# Altium PCB PCB1.PcbDoc (part 3 of 4)
Units mil, origin at the board's own origin, x right, y up, seen from the top; angles counter-clockwise.
Board outline 6000 x 4000 mil, 2 copper layers (Top Layer, Bottom Layer); 926 components, 952 nets, 4644 pads, 239 vias.
Unrouted connection lines stored in the file: 3361.
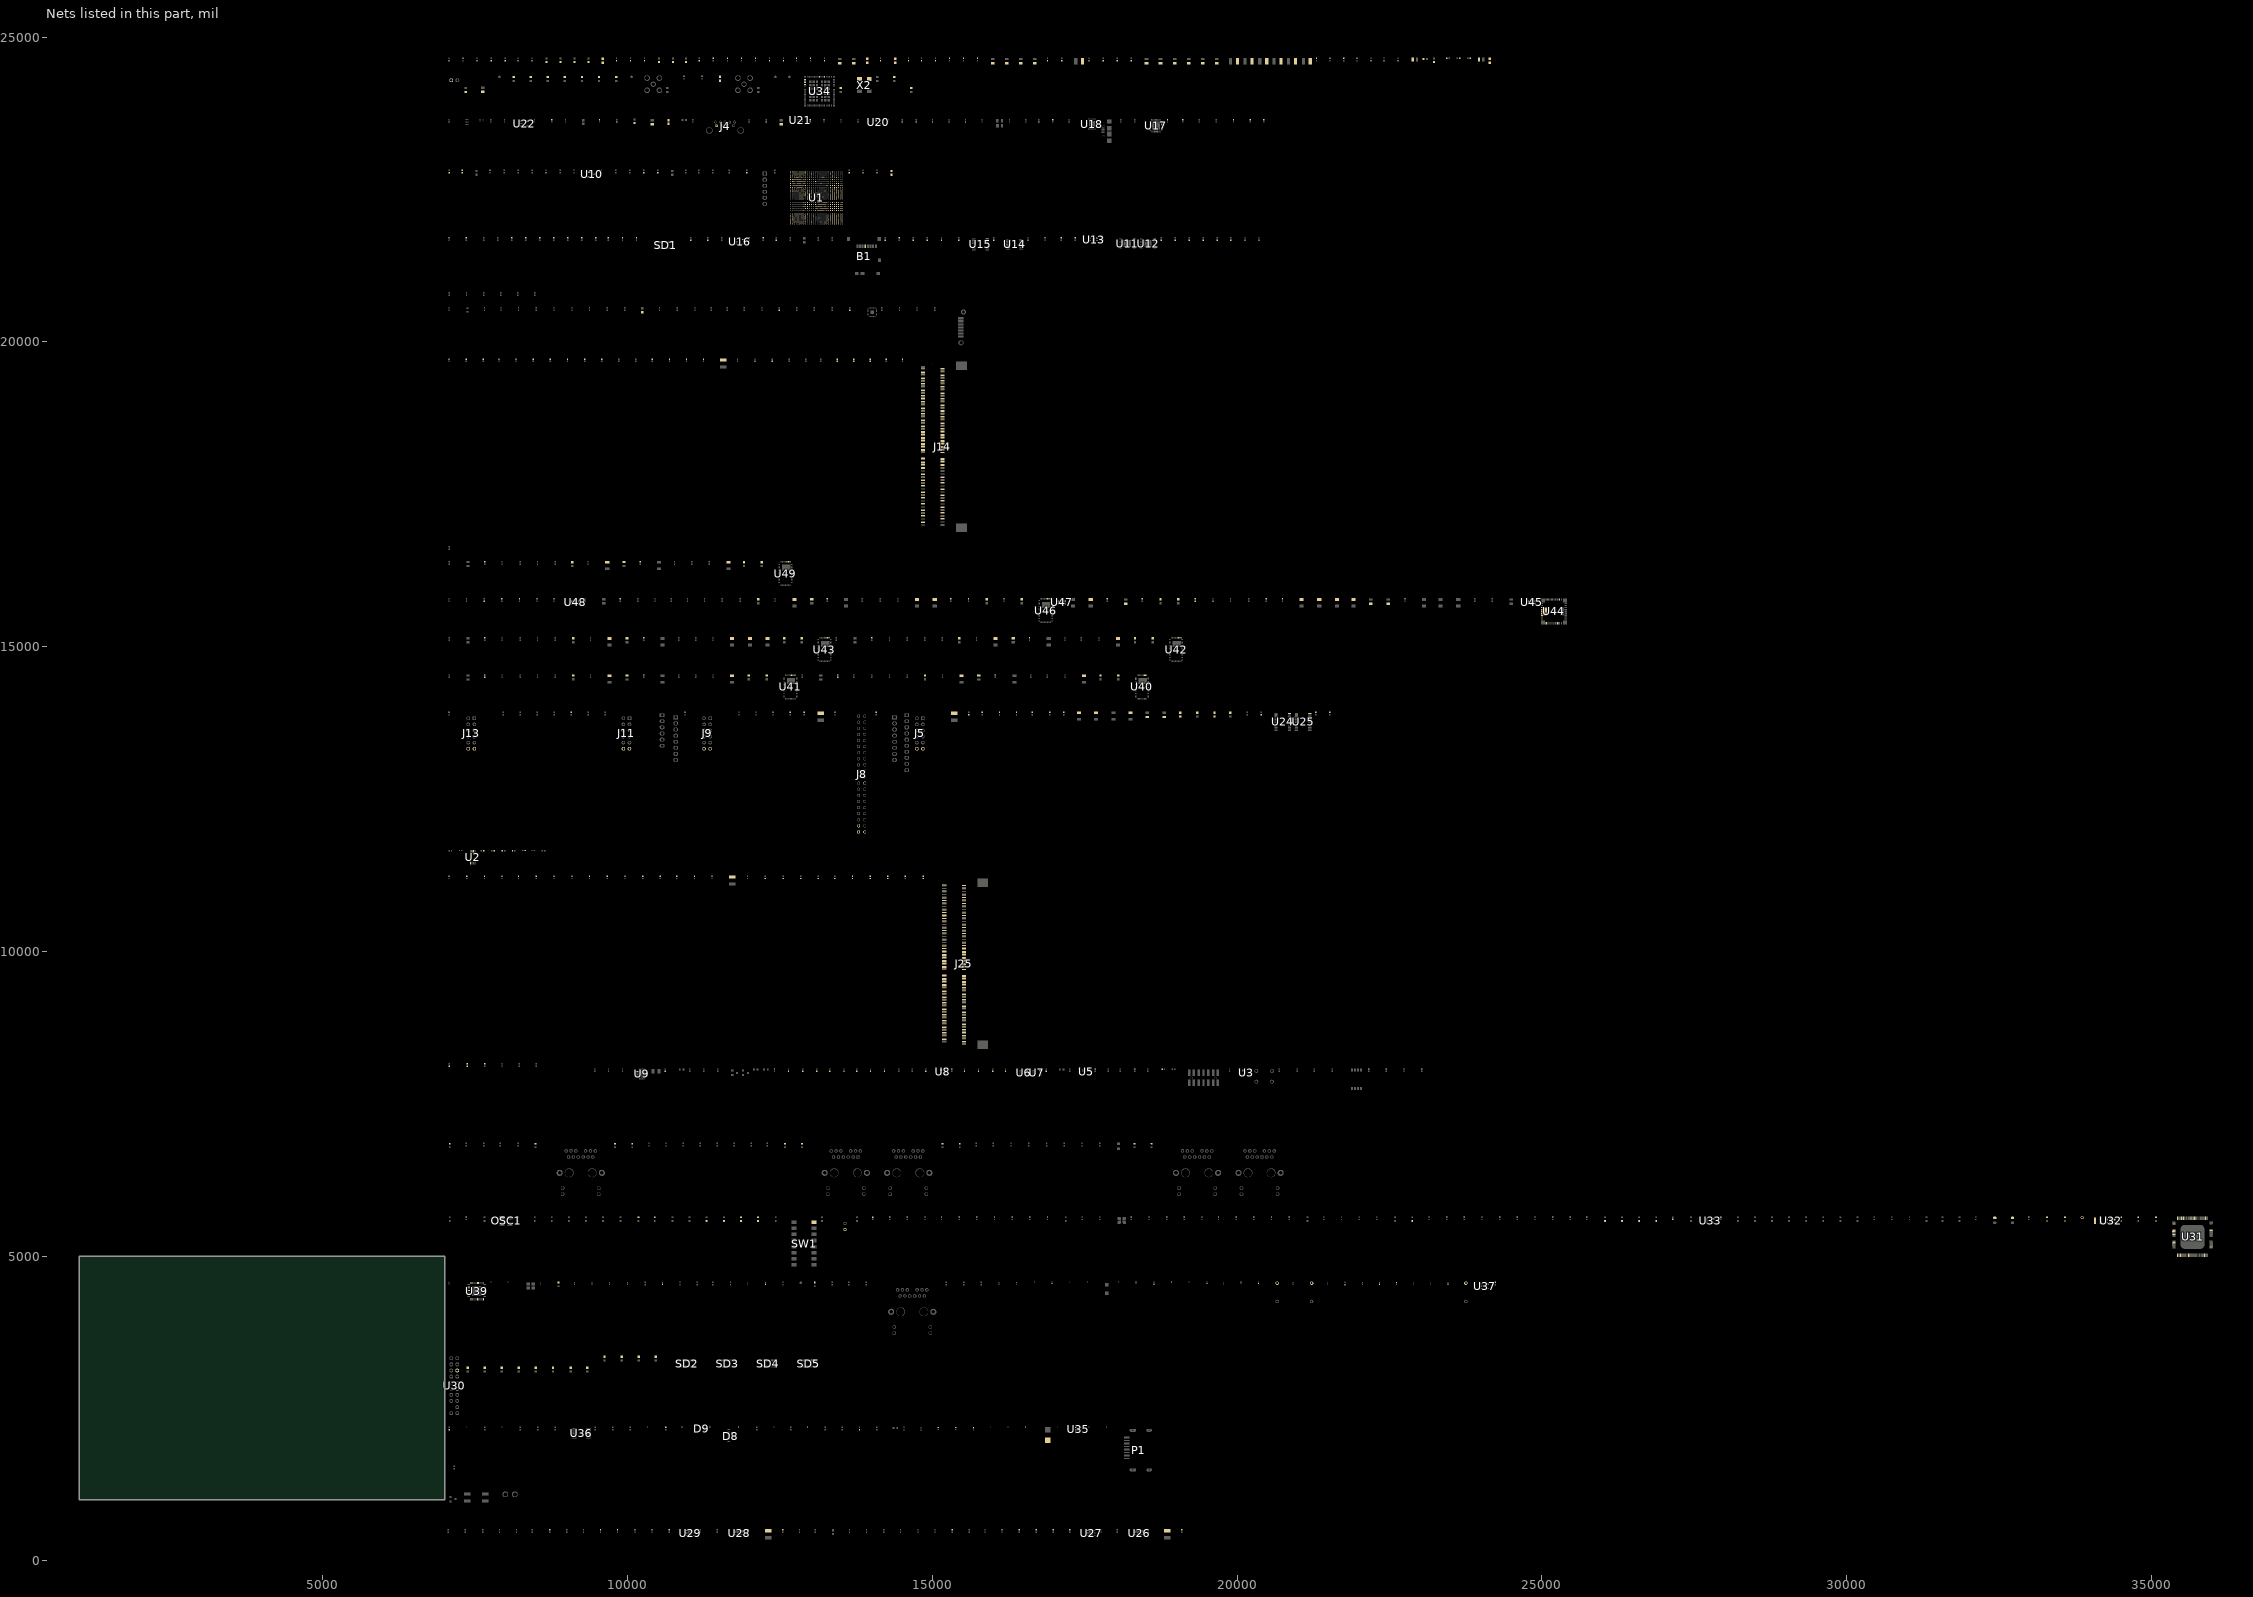
[diagram p3: the nets of this part, all layers, seen from the top]

## Footprints (in the part's own frame and the unit in brackets; to place one, negate y for a bottom-side part, rotate by r counter-clockwise, add the part's x,y. Pads: shape width x height; smd on the part's side, far side on the other; paste and mask are expansions set on the pad) (continued)
LMZ31710RVQR [mm] "TI RVQ PAckage Regulator"
  rect 1.65x1.65 smd paste-0.225 mask+0.05: 1(-4.575,-4.575) 11(4.575,-4.575) 21(4.575,4.575) 31(-4.575,4.575)
  rect 0.5x0.95 smd paste-0.05 mask+0.05: 2(-3.2,-4.925) 3(-2.4,-4.925) 4(-1.6,-4.925) 5(-0.8,-4.925) 6(0,-4.925) 7(0.8,-4.925) 8(1.6,-4.925) 9(2.4,-4.925) 10(3.2,-4.925) 22(3.2,4.925) 23(2.4,4.925) 24(1.6,4.925) 25(0.8,4.925) 26(0,4.925) 27(-0.8,4.925) 28(-1.6,4.925) 29(-2.4,4.925) 30(-3.2,4.925)
  rect 0.95x0.5 smd paste-0.05 mask+0.05: 12(4.925,-3.2) 13(4.925,-2.4) 14(4.925,-1.6) 15(4.925,-0.8) 16(4.925,0) 17(4.925,0.8) 18(4.925,1.6) 19(4.925,2.4) 20(4.925,3.2) 32(-4.925,3.2) 33(-4.925,2.4) 34(-4.925,1.6) 35(-4.925,0.8) 36(-4.925,0) 37(-4.925,-0.8) 38(-4.925,-1.6) 39(-4.925,-2.4) 40(-4.925,-3.2)
  rect 1.4x3.29 smd paste-5 mask+0.05: 41(-3.55,0) 42(3.55,0)
  Top Layer region: 2.25,1.645 2.25,-1.645 3.1,-1.645 3.1,1.645
  Top Layer region: -1.8,0.863 -1.8,-0.863 3.55,-0.863 3.55,0.863
  silkscreen extent -4.37,-6.27 -4.12,-6.03, body extent -5.07,-5.07 5.07,5.08, height 4.41
MAX15027_T1033+1_V [mm] "SON, 10-Leads, Body 3x3mm, Pitch 0.5mm, Thermal Pad 2.35x1.58mm, Maxim Recommended"
  rect 0.7x0.3 smd mask+0.05: 1(-1.475,1) 2(-1.475,0.5) 3(-1.475,0) 4(-1.475,-0.5) 5(-1.475,-1) 6(1.475,-1) 7(1.475,-0.5) 8(1.475,0) 9(1.475,0.5) 10(1.475,1)
  rect 1.58x2.35 smd mask+0.05: 11(0,0)
  silkscreen extent -2.15,-1.7 1.7,1.75, body extent -1.55,-1.55 1.55,1.55, height 0.8
MOLEX_26-60-4020 [mm] "3.96mm (.156\") Pitch KK® Solid Header, Vertical, Friction Lock, 2 Circuits, Tin (Sn) Plating"
  round 2.4 hole 1.7: 1(-1.981,0) 2(1.981,0)
  silkscreen extent -3.89,-4.9 3.89,5.11, body extent -3.89,-4.9 3.89,5.11, height 14.73
MSOP8_PCA9517DP,118 [mm] "IC REDRIVER I2C 1CH 8TSSOP"
  rect 1.26x0.4 smd mask+0.05: 1(-2.4,0.975) 2(-2.4,0.325) 3(-2.4,-0.325) 4(-2.4,-0.975) 5(2.4,-0.975) 6(2.4,-0.325) 7(2.4,0.325) 8(2.4,0.975)
  silkscreen extent -2.37,1.52 -2.23,1.67, body extent -1.5,-1.5 1.5,1.5, height 1.1
OSC_5MX3M2_A [mm] "Oscillator 5x3.2mm 6 pin, 4 physical pins (2 & 5 removed)"
  rrect1% 2.1x1.4 smd: 1(-1.7,-1.3) 3(1.7,-1.3) 4(1.7,1.3) 6(-1.7,1.3)
  silkscreen extent -3.03,-2.31 2.65,1.75, body extent -2.5,-1.6 2.5,1.6, height 0.9
OSCSC508P500X700X180-4N [mm] "SMD Oscillator, side convave, 4 pins, 5.00x7.00mm"
  rect 2x1.6 smd: 1(-2.05,2.54) 2(-2.05,-2.54) 3(2.05,-2.54) 4(2.05,2.54)
  silkscreen extent -3.12,-3.6 2.6,4.06, body extent -2.6,-3.6 2.6,3.6, height 1.8
PB_1825910-7 [mm]
  round 1.6 hole 1 mask+0.05: 1(-3.25,2.25) 2(3.25,2.25) 3(-3.25,-2.25) 4(3.25,-2.25)
  body extent -3.9,-2.99 3.9,3, height 5
"PIN HEADER 20POS" [mm] "TPM HEADER for TPM Module GC-TPM2.0"
  round 1.6 hole 0.9: 1(-5.3,-4.3) 2(-5.3,-1.76) 3(-2.76,-4.3) 5(-0.22,-4.3) 6(-0.22,-1.76) 7(2.32,-4.3) 8(2.32,-1.76) 9(4.86,-4.3) 10(4.86,-1.76) 11(7.4,-4.3) 12(7.4,-1.76) 13(9.94,-4.3) 14(9.94,-1.76) 15(12.48,-4.3) 16(12.48,-1.76) 17(15.02,-4.3) 18(15.02,-1.76) 19(17.56,-4.3) 20(17.56,-1.76)
  silkscreen extent -6.57,-6.37 18.83,-0.53, body extent -6.57,-5.52 18.83,-0.53, height 8
PW24_L [mm] "TSOP, 24-Leads, Body 7.8x4.4mm, Pitch 0.65mm, IPC High Density"
  oval 1.4x0.35 smd: 1(-2.8,3.575) 2(-2.8,2.925) 3(-2.8,2.275) 4(-2.8,1.625) 5(-2.8,0.975) 6(-2.8,0.325) 7(-2.8,-0.325) 8(-2.8,-0.975) 9(-2.8,-1.625) 10(-2.8,-2.275) 11(-2.8,-2.925) 12(-2.8,-3.575) 13(2.8,-3.575) 14(2.8,-2.925) 15(2.8,-2.275) 16(2.8,-1.625) 17(2.8,-0.975) 18(2.8,-0.325) 19(2.8,0.325) 20(2.8,0.975) 21(2.8,1.625) 22(2.8,2.275) 23(2.8,2.925) 24(2.8,3.575)
  silkscreen extent -2.92,-3.95 1.7,4.42, body extent -2.25,-3.95 2.25,3.95, height 1.2
QFN50P500X500X100_HS-33N [mm] "QFN, 32-Leads, Body 5.00x5.00mm, Pitch 0.50mm, Thermal Pad 3.30x3.30mm, IPC Medium Density"
  oval 0.75x0.25 smd mask+0.05: 1(-2.4,1.75) 2(-2.4,1.25) 3(-2.4,0.75) 4(-2.4,0.25) 5(-2.4,-0.25) 6(-2.4,-0.75) 7(-2.4,-1.25) 8(-2.4,-1.75) 17(2.4,-1.75) 18(2.4,-1.25) 19(2.4,-0.75) 20(2.4,-0.25) 21(2.4,0.25) 22(2.4,0.75) 23(2.4,1.25) 24(2.4,1.75)
  oval 0.25x0.75 smd mask+0.05: 9(-1.75,-2.4) 10(-1.25,-2.4) 11(-0.75,-2.4) 12(-0.25,-2.4) 13(0.25,-2.4) 14(0.75,-2.4) 15(1.25,-2.4) 16(1.75,-2.4) 25(1.75,2.4) 26(1.25,2.4) 27(0.75,2.4) 28(0.25,2.4) 29(-0.25,2.4) 30(-0.75,2.4) 31(-1.25,2.4) 32(-1.75,2.4)
  rect 3.3x3.3 smd mask+0.05: 33(0,0)
  silkscreen extent -3.42,2.08 -3.17,2.32, body extent -2.6,-2.6 2.6,2.6, height 1
QFN50P700X700X100_HS-49N [mm] "QFN, 48-Leads, Body 7.00x7.00mm, Pitch 0.50mm, Thermal Pad 4.08x4.08mm, IPC Medium Density"
  oval 1x0.25 smd mask+0.05: 1(-3.375,2.75) 2(-3.375,2.25) 3(-3.375,1.75) 4(-3.375,1.25) 5(-3.375,0.75) 6(-3.375,0.25) 7(-3.375,-0.25) 8(-3.375,-0.75) 9(-3.375,-1.25) 10(-3.375,-1.75) 11(-3.375,-2.25) 12(-3.375,-2.75) 25(3.375,-2.75) 26(3.375,-2.25) 27(3.375,-1.75) 28(3.375,-1.25) 29(3.375,-0.75) 30(3.375,-0.25) 31(3.375,0.25) 32(3.375,0.75) 33(3.375,1.25) 34(3.375,1.75) 35(3.375,2.25) 36(3.375,2.75)
  oval 0.25x1 smd mask+0.05: 13(-2.75,-3.375) 14(-2.25,-3.375) 15(-1.75,-3.375) 16(-1.25,-3.375) 17(-0.75,-3.375) 18(-0.25,-3.375) 19(0.25,-3.375) 20(0.75,-3.375) 21(1.25,-3.375) 22(1.75,-3.375) 23(2.25,-3.375) 24(2.75,-3.375) 37(2.75,3.375) 38(2.25,3.375) 39(1.75,3.375) 40(1.25,3.375) 41(0.75,3.375) 42(0.25,3.375) 43(-0.25,3.375) 44(-0.75,3.375) 45(-1.25,3.375) 46(-1.75,3.375) 47(-2.25,3.375) 48(-2.75,3.375)
  rect 4.08x4.08 smd mask+0.05: 49(0,0)
  silkscreen extent -4.5,-3.73 3.73,3.72, body extent -3.5,-3.5 3.5,3.5, height 1
QFN54-EN5367QI [mm] "Enpirion QFN-54 (EN5367QI)"
  rect 0.6x0.25 smd paste+0 mask+0.05: 1(-4.9,2) 2(-4.9,1.5) 3(-4.9,1) 4(-4.9,0.5) 5(-4.9,0) 6(-4.9,-0.5) 7(-4.9,-1) 8(-4.9,-1.5) 9(-4.9,-2) 28(4.9,-2) 29(4.9,-1.5) 30(4.9,-1) 31(4.9,-0.5) 32(4.9,0) 33(4.9,0.5) 34(4.9,1) 35(4.9,1.5) 36(4.9,2)
  rect 0.25x0.6 smd paste+0 mask+0.05: 10(-4.25,-2.65) 11(-3.75,-2.65) 12(-3.25,-2.65) 13(-2.75,-2.65) 14(-2.25,-2.65) 15(-1.75,-2.65) 16(-1.25,-2.65) 17(-0.75,-2.65) 18(-0.25,-2.65) 19(0.25,-2.65) 20(0.75,-2.65) 21(1.25,-2.65) 22(1.75,-2.65) 23(2.25,-2.65) 24(2.75,-2.65) 25(3.25,-2.65) 26(3.75,-2.65) 27(4.25,-2.65) 37(4.25,2.65) 38(3.75,2.65) 39(3.25,2.65) 40(2.75,2.65) 41(2.25,2.65) 42(1.75,2.65) 43(1.25,2.65) 44(0.75,2.65) 45(0.25,2.65) 46(-0.25,2.65) 47(-0.75,2.65) 48(-1.25,2.65) 49(-1.75,2.65) 50(-2.25,2.65) 51(-2.75,2.65) 52(-3.25,2.65) 53(-3.75,2.65) 54(-4.25,2.65)
  rect 2.505x3.48 smd paste-100 mask+0.05: 55(2.428,-0.26)
  silkscreen extent -5.77,2.33 -5.68,2.42, body extent -5.05,-2.8 5.05,2.8, height 3.06
RC0201N [mm]
  rect 0.556x0.3 smd: 1(-0.378,0) 2(0.378,0)
  body extent -0.3,-0.15 0.3,0.15, height 0.71
RC0402N [mm]
  rect 0.656x0.5 smd paste+0 mask+0: 1(-0.553,0) 2(0.553,0)
  body extent -0.52,-0.25 0.53,0.25, height 0.71
RES_C_0603 [mm] "Chip Resistor, 2-Leads, Body 1.6x0.8mm, IPC Medium Density"
  rrect50% 0.7x0.8 smd: 1(-0.75,0) 2(0.75,0)
  silkscreen extent -0.23,-0.48 0.23,0.48, body extent -0.8,-0.4 0.8,0.4, height 0.45
RES_CRCW_0402 [mil] "RES SMD 18.2K OHM 1% 1/16W 0402"
  rect 20x22 smd paste+0 mask+0: 1(-18.5,0) 2(18.5,0)
  body extent -21,-11 21,11, height 16
RES_V0201 [mm]
  rect 0.403x0.35 smd: 1(-0.327,0) 2(0.327,0)
  silkscreen extent -1.44,-0.08 -1.29,0.08, body extent -0.32,-0.17 0.33,0.18, height 0.28
RESC0603X28N [mm]
  rect 0.625x0.4 smd: 1(-0.412,0) 2(0.412,0)
  body extent -0.3,-0.15 0.3,0.15, height 0.28
RESC1005L_0402 [mm] "Chip Resistor, Body 1.1x0.5mm, IPC High Density"
  rect 0.6x0.6 smd mask+0.05: 1(-0.5,0) 2(0.5,0)
  silkscreen extent -0.97,-0.48 0.97,0.48, body extent -0.57,-0.27 0.58,0.28, height 0.41
RESC1608X55N [mm] "Chip Resistor, EIA 0603, Metric 1608, Body 1.6x0.8mm, IPC Medium Density"
  rect 0.9x1 smd: 1(-0.8,0) 2(0.8,0)
  silkscreen extent 0,-0.5 0,0.5, body extent -0.87,-0.47 0.88,0.48, height 0.55
"SATA HEADER" [mm] "CONN HEADER 7POS VERT SMD 15GOLD"
  rect 0.9x2.4 smd: 1(3.795,0.05) 2(2.525,0.05) 3(1.255,0.05) 4(-0.015,0.05) 5(-1.285,0.05) 6(-2.555,0.05) 7(-3.825,0.05)
  round 2.1 hole 1.4: 8(-6.43,-0.05) 9(6.4,-1.05)
  silkscreen extent -8.4,-3.2 8.5,3.84, body extent -8.45,-3.23 8.45,3.23, height 8.41
SLAB-QFN-24-2675x2675TP_L [mm] "QFN, 24-Leads, Body 4x4mm, Pitch 0.5mm, Thermal Pad 2.68x2.68mm, IPC High Density"
  oval 0.6x0.2 smd mask+0.05: 1(-1.95,1.25) 2(-1.95,0.75) 3(-1.95,0.25) 4(-1.95,-0.25) 5(-1.95,-0.75) 6(-1.95,-1.25) 13(1.95,-1.25) 14(1.95,-0.75) 15(1.95,-0.25) 16(1.95,0.25) 17(1.95,0.75) 18(1.95,1.25)
  oval 0.2x0.6 smd mask+0.05: 7(-1.25,-1.95) 8(-0.75,-1.95) 9(-0.25,-1.95) 10(0.25,-1.95) 11(0.75,-1.95) 12(1.25,-1.95) 19(1.25,1.95) 20(0.75,1.95) 21(0.25,1.95) 22(-0.25,1.95) 23(-0.75,1.95) 24(-1.25,1.95)
  rect 2.68x2.68 smd mask+0.05: 25(0,0)
  silkscreen extent -2.92,-2.15 2.15,2.15, body extent -2,-2 2,2, height 0.8
SOTFL35P100X50-3N [mm] "TVS DIODE 5.5VWM 8VC SOT3"
  rect 0.36x0.33 smd: 1(-0.58,0.35) 2(-0.58,-0.35) 3(0.58,0)
  silkscreen extent -0.05,-0.5 0.05,0.5
SOTFL50P160X60-6N [mm] "TVS DIODE 5.5VWM SOT6"
  rect 0.47x0.3 smd: 1(-0.835,0.5) 2(-0.835,0) 3(-0.835,-0.5) 4(0.835,-0.5) 5(0.835,0) 6(0.835,0.5)
  silkscreen extent -1.07,-0.8 0.25,0.9, body extent -0.85,-0.85 0.85,0.85, height 0.61
SP0503BAHT_SOT143 [mm] "LITTELFUSE TVS DIODE 5.5VWM 8.5VC SOT143"
  rect 1.2x1.4 smd paste+0.05: 1(-0.85,-1.1)
  rect 1x1.4 smd paste+0.05: 2(0.95,-1.1) 3(0.95,1.1) 4(-0.95,1.1)
  silkscreen extent -1.82,-2.52 -1.57,-2.28, body extent -1.52,-1.32 1.52,1.32, height 1.22
SW_SM_8POS24V_TE [mil] "Switch DIP8 SMD Gull Wing"
  rect 85x60 smd: 1(-162.6,350) 2(-162.6,250) 3(-162.6,150) 4(-162.6,50) 5(-162.6,-50) 6(-162.6,-150) 7(-162.6,-250) 8(-162.6,-350) 9(162.6,-350) 10(162.6,-250) 11(162.6,-150) 12(162.6,-50) 13(162.6,50) 14(162.6,150) 15(162.6,250) 16(162.6,350)
  silkscreen extent -202,-449 169,449, body extent -185,-439 185,439, height 216
T1644+4_L [mm] "QFN, 16-Leads, Body 4x4mm, Pitch 0.65mm, Thermal Pad 2.3x2.3mm, IPC High Density"
  rect 0.95x0.35 smd mask+0.05: 1(-1.84,0.975) 2(-1.84,0.325) 3(-1.84,-0.325) 4(-1.84,-0.975) 9(1.84,-0.975) 10(1.84,-0.325) 11(1.84,0.325) 12(1.84,0.975)
  rect 0.35x0.95 smd mask+0.05: 5(-0.975,-1.84) 6(-0.325,-1.84) 7(0.325,-1.84) 8(0.975,-1.84) 13(0.975,1.84) 14(0.325,1.84) 15(-0.325,1.84) 16(-0.975,1.84)
  rect 2.23x2.23 smd mask+0.05: 17(0,0)
  silkscreen extent -2.97,-2.2 2.2,2.2, body extent -2.05,-2.05 2.05,2.05, height 0.8
TI-DBZ3_N [mm] "SOT23, 3-Leads, Body 2.92x1.3 mm, Pitch 0.95 mm, IPC Medium Density"
  rect 1.3x0.6 smd mask+0.05: 1(-1.05,0.95) 2(-1.05,-0.95) 3(1.05,0)
  silkscreen extent -1.02,-1.5 0.7,1.92, body extent -1.27,-1.46 1.27,1.46, height 1
TP [mm]
  round 1 smd: 1(0,0)
  silkscreen extent -0.65,-0.65 0.65,0.65
TP_PAD51D36 [mil] "TEST POINT, PLATED THRU HOLE PAD51_DRILL36"
  round 51 hole 36: 1(0,0)
TPD4E05U06DQAR [mm] "TVS DIODE 5.5VWM 14VC 10SON"
  rect 0.3x0.55 smd mask+0.05: 1(-1,-0.39) 2(-0.5,-0.39) 4(0.5,-0.39) 5(1,-0.39) 6(1,0.39) 7(0.5,0.39) 9(-0.5,0.39) 10(-1,0.39)
  rect 0.4x0.55 smd mask+0.05: 3(0,-0.39) 8(0,0.39)
  silkscreen extent -1.57,-0.97 -1.42,-0.83, body extent -1.25,-0.5 1.25,0.5, height 0.55
TQFP-128_14x14_EP10x10 [mm] "TSQFP, 128-Leads, Body 14.00x14.00mm, Pitch 0.40mm, 10mm Epad, IPC Medium Density"
  oval 1.45x0.26 smd mask+0.102: 1(-7.725,6.2) 2(-7.725,5.8) 3(-7.725,5.4) 4(-7.725,5) 5(-7.725,4.6) 6(-7.725,4.2) 7(-7.725,3.8) 8(-7.725,3.4) 9(-7.725,3) 10(-7.725,2.6) 11(-7.725,2.2) 12(-7.725,1.8) 13(-7.725,1.4) 14(-7.725,1) 15(-7.725,0.6) 16(-7.725,0.2) 17(-7.725,-0.2) 18(-7.725,-0.6) 19(-7.725,-1) 20(-7.725,-1.4) 21(-7.725,-1.8) 22(-7.725,-2.2) 23(-7.725,-2.6) 24(-7.725,-3) 25(-7.725,-3.4) 26(-7.725,-3.8) 27(-7.725,-4.2) 28(-7.725,-4.6) 29(-7.725,-5) 30(-7.725,-5.4) 31(-7.725,-5.8) 32(-7.725,-6.2) 65(7.725,-6.2) 66(7.725,-5.8) 67(7.725,-5.4) 68(7.725,-5) 69(7.725,-4.6) 70(7.725,-4.2) 71(7.725,-3.8) 72(7.725,-3.4) 73(7.725,-3) 74(7.725,-2.6) 75(7.725,-2.2) 76(7.725,-1.8) 77(7.725,-1.4) 78(7.725,-1) 79(7.725,-0.6) 80(7.725,-0.2) 81(7.725,0.2) 82(7.725,0.6) 83(7.725,1) 84(7.725,1.4) 85(7.725,1.8) 86(7.725,2.2) 87(7.725,2.6) 88(7.725,3) 89(7.725,3.4) 90(7.725,3.8) 91(7.725,4.2) 92(7.725,4.6) 93(7.725,5) 94(7.725,5.4) 95(7.725,5.8) 96(7.725,6.2)
  oval 0.26x1.45 smd mask+0.102: 33(-6.2,-7.725) 34(-5.8,-7.725) 35(-5.4,-7.725) 36(-5,-7.725) 37(-4.6,-7.725) 38(-4.2,-7.725) 39(-3.8,-7.725) 40(-3.4,-7.725) 41(-3,-7.725) 42(-2.6,-7.725) 43(-2.2,-7.725) 44(-1.8,-7.725) 45(-1.4,-7.725) 46(-1,-7.725) 47(-0.6,-7.725) 48(-0.2,-7.725) 49(0.2,-7.725) 50(0.6,-7.725) 51(1,-7.725) 52(1.4,-7.725) 53(1.8,-7.725) 54(2.2,-7.725) 55(2.6,-7.725) 56(3,-7.725) 57(3.4,-7.725) 58(3.8,-7.725) 59(4.2,-7.725) 60(4.6,-7.725) 61(5,-7.725) 62(5.4,-7.725) 63(5.8,-7.725) 64(6.2,-7.725) 97(6.2,7.725) 98(5.8,7.725) 99(5.4,7.725) 100(5,7.725) 101(4.6,7.725) 102(4.2,7.725) 103(3.8,7.725) 104(3.4,7.725) 105(3,7.725) 106(2.6,7.725) 107(2.2,7.725) 108(1.8,7.725) 109(1.4,7.725) 110(1,7.725) 111(0.6,7.725) 112(0.2,7.725) 113(-0.2,7.725) 114(-0.6,7.725) 115(-1,7.725) 116(-1.4,7.725) 117(-1.8,7.725) 118(-2.2,7.725) 119(-2.6,7.725) 120(-3,7.725) 121(-3.4,7.725) 122(-3.8,7.725) 123(-4.2,7.725) 124(-4.6,7.725) 125(-5,7.725) 126(-5.4,7.725) 127(-5.8,7.725) 128(-6.2,7.725)
  rrect35% 10x10 smd paste-5: EP(0,0)
  silkscreen extent -8.23,-7.75 7.75,8.23, body extent -8,-8 8,8, height 1.2
TSOP65P640X120-14N [mm] "TSOP, 14-Leads, Body 5.00x4.40mm, Pitch 0.65mm, IPC Medium Density"
  rect 1.78x0.42 smd: 1(-2.97,1.95) 2(-2.97,1.3) 3(-2.97,0.65) 4(-2.97,0) 5(-2.97,-0.65) 6(-2.97,-1.3) 7(-2.97,-1.95) 8(2.97,-1.95) 9(2.97,-1.3) 10(2.97,-0.65) 11(2.97,0) 12(2.97,0.65) 13(2.97,1.3) 14(2.97,1.95)
  silkscreen extent -3.09,-2.55 1.85,2.83, body extent -2.25,-2.55 2.25,2.55, height 1.2
TSOP_PW14_L [mm] "TSOP, 14-Leads, Body 5x4.4mm, Pitch 0.65mm, IPC High Density"
  rect 1.6x0.35 smd mask+0.05: 1(-2.8,1.95) 2(-2.8,1.3) 3(-2.8,0.65) 4(-2.8,0) 5(-2.8,-0.65) 6(-2.8,-1.3) 7(-2.8,-1.95) 8(2.8,-1.95) 9(2.8,-1.3) 10(2.8,-0.65) 11(2.8,0) 12(2.8,0.65) 13(2.8,1.3) 14(2.8,1.95)
  silkscreen extent -2.92,-2.55 1.7,3.12, body extent -2.25,-2.55 2.25,2.55, height 1.2
TSOP_PW16_L [mm] "TSOP, 16-Leads, Body 5x4.4mm, Pitch 0.65mm, IPC High Density"
  rect 1.6x0.35 smd mask+0.05: 1(-2.8,2.275) 2(-2.8,1.625) 3(-2.8,0.975) 4(-2.8,0.325) 5(-2.8,-0.325) 6(-2.8,-0.975) 7(-2.8,-1.625) 8(-2.8,-2.275) 9(2.8,-2.275) 10(2.8,-1.625) 11(2.8,-0.975) 12(2.8,-0.325) 13(2.8,0.325) 14(2.8,0.975) 15(2.8,1.625) 16(2.8,2.275)
  silkscreen extent -2.92,-2.55 1.7,3.12, body extent -2.25,-2.55 2.25,2.55, height 1.2
UDFN_9 [mm] "UDFN, 8-Leads, Body 3x2mm, Pitch 0.5mm"
  rect 0.75x0.3 smd mask+0.05: 1(-1.5,0.75) 2(-1.5,0.25) 3(-1.5,-0.25) 4(-1.5,-0.75) 5(1.5,-0.75) 6(1.5,-0.25) 7(1.5,0.25) 8(1.5,0.75)
  rect 1.36x1.46 smd mask+0.05: 9(0,0)
  silkscreen extent -2.21,1.09 -2.11,1.19, body extent -1.55,-1.02 1.55,1.02, height 0.6
USB30_RA_0484050003 [mm] "USB 3.0 RA REC TH TYPE A"
  round 1.1 hole 0.7 mask+0.05: 1(0,0) 2(2.5,0) 3(4.5,0) 4(7,0) 5(7.5,1.5) 6(5.5,1.5) 7(3.5,1.5) 8(1.5,1.5) 9(-0.5,1.5)
  round 2.7 hole 2.3 mask+0.05: MH1(-3.07,-2) MH2(10.07,-2)
  body extent -4.23,-13.78 11.23,2.72, height 7.56
USB_MICROB_WURTH_629105136821 [mm] "5 pins"
  rect 0.4x1.35 smd mask+0.05: 1(-1.3,0) 2(-0.65,0) 3(0,0) 4(0.65,0) 5(1.3,0)
  rect 1.8x1.9 smd mask+0.05: Z1(-4,-2.675) Z4(4,-2.675)
  rect 1.9x1.9 smd mask+0.05: Z2(-1.2,-2.675) Z3(1.2,-2.675)
  round 0.7 hole 0.7 unplated mask+0.05: ""(-2.075,-0.225) ""(2.075,-0.225)
  silkscreen extent -3.7,-5.42 3.7,0.93, body extent -4,-5.43 4,0.47, height 2.69
W-PDFN-8_6x5mm [mm] "SON, 8-Leads, Body 5.00x6.00mm, Pitch 1.27mm, Thermal Pad 3.00x3.00mm, IPC Medium Density"
  rect 1.05x0.4 smd: 1(-2.82,1.905) 2(-2.82,0.635) 3(-2.82,-0.635) 4(-2.82,-1.905) 5(2.82,-1.905) 6(2.82,-0.635) 7(2.82,0.635) 8(2.82,1.905)
  rect 3x3 smd paste-1.5: 9(0,0)
  silkscreen extent -3.65,-2.7 3.2,2.75, body extent -3.05,-2.55 3.05,2.55, height 0.8
XTAL_4PIN_3M2X2M5 [mil] "Crystal 4 pin 3.2 x 2.5 mm"
  rrect1% 21.07x15.44 smd rot 45: 1(-58,-19) 3(58,19)
  rrect1% 46x36 smd: 1(-48,-39) 2(48,-39) 3(48,39) 4(-48,39)
  rrect1% 42x40 smd: 1(-35,-26) 2(35,-26) 3(35,26) 4(-35,26)
  rrect1% 15.44x15.44 smd rot 45: 1(-25,-46) 2(25,-46) 3(25,46) 4(-25,46)
  rrect1% 21.07x15.44 smd rot 135: 2(58,-19) 4(-58,19)
  silkscreen extent -82,-69 -63,-51, body extent -63,-49 63,49, height 36
